# KiCad board Keyboard.kicad_pcb
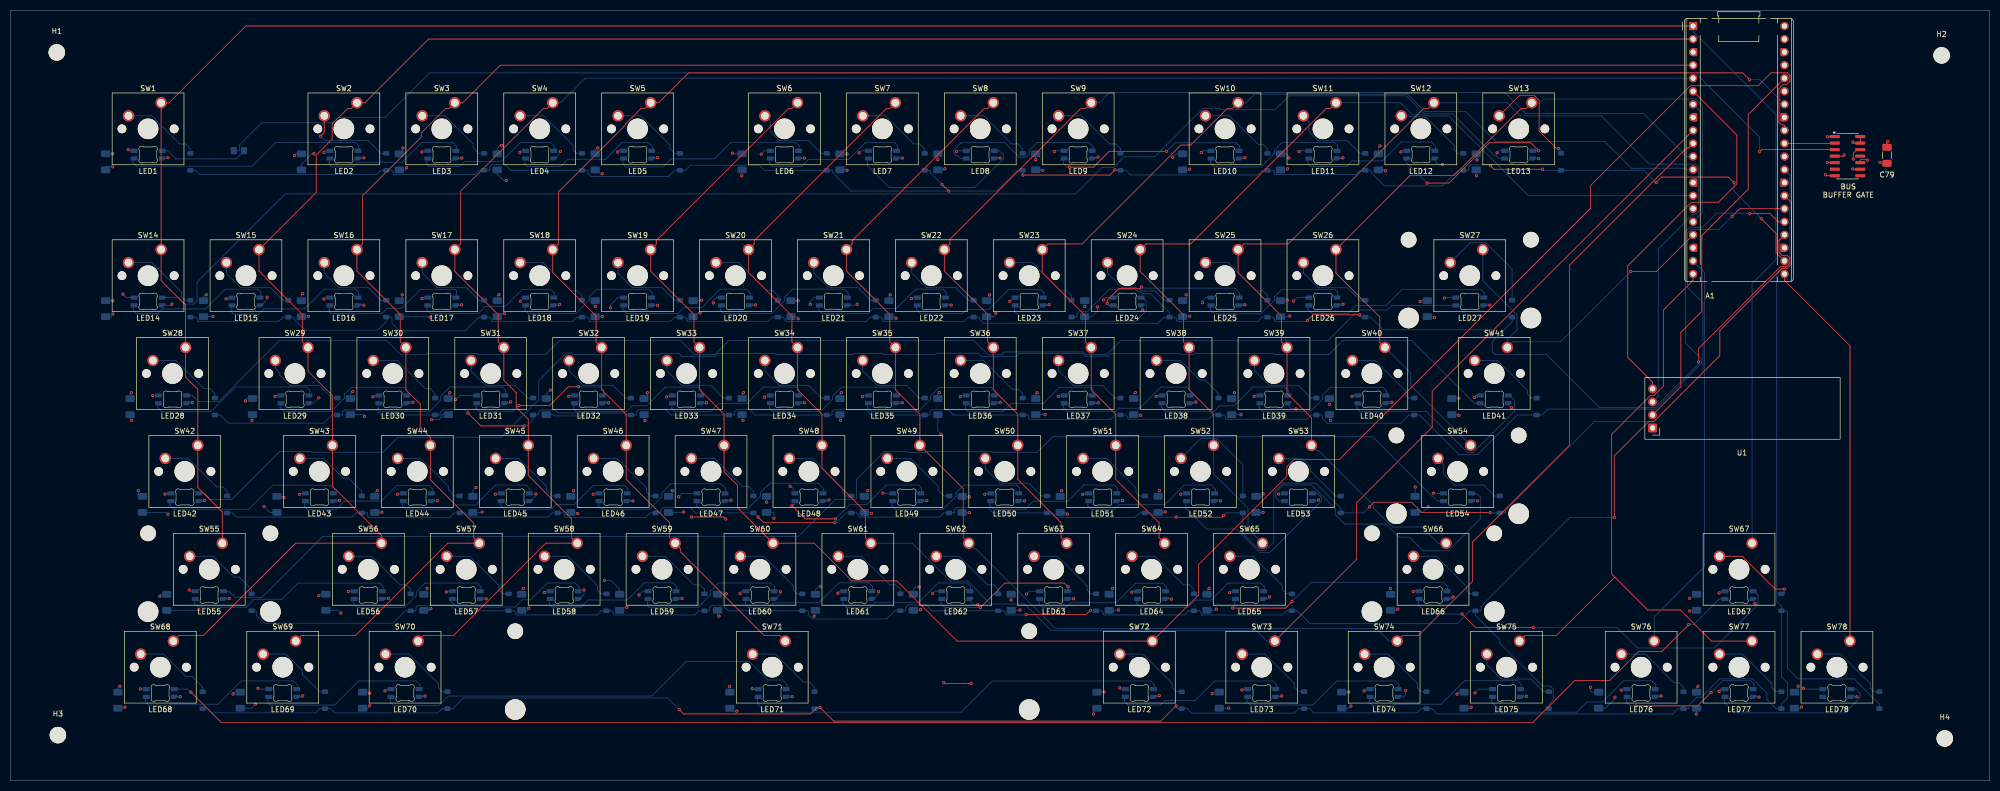
[diagram p0: board, top side]
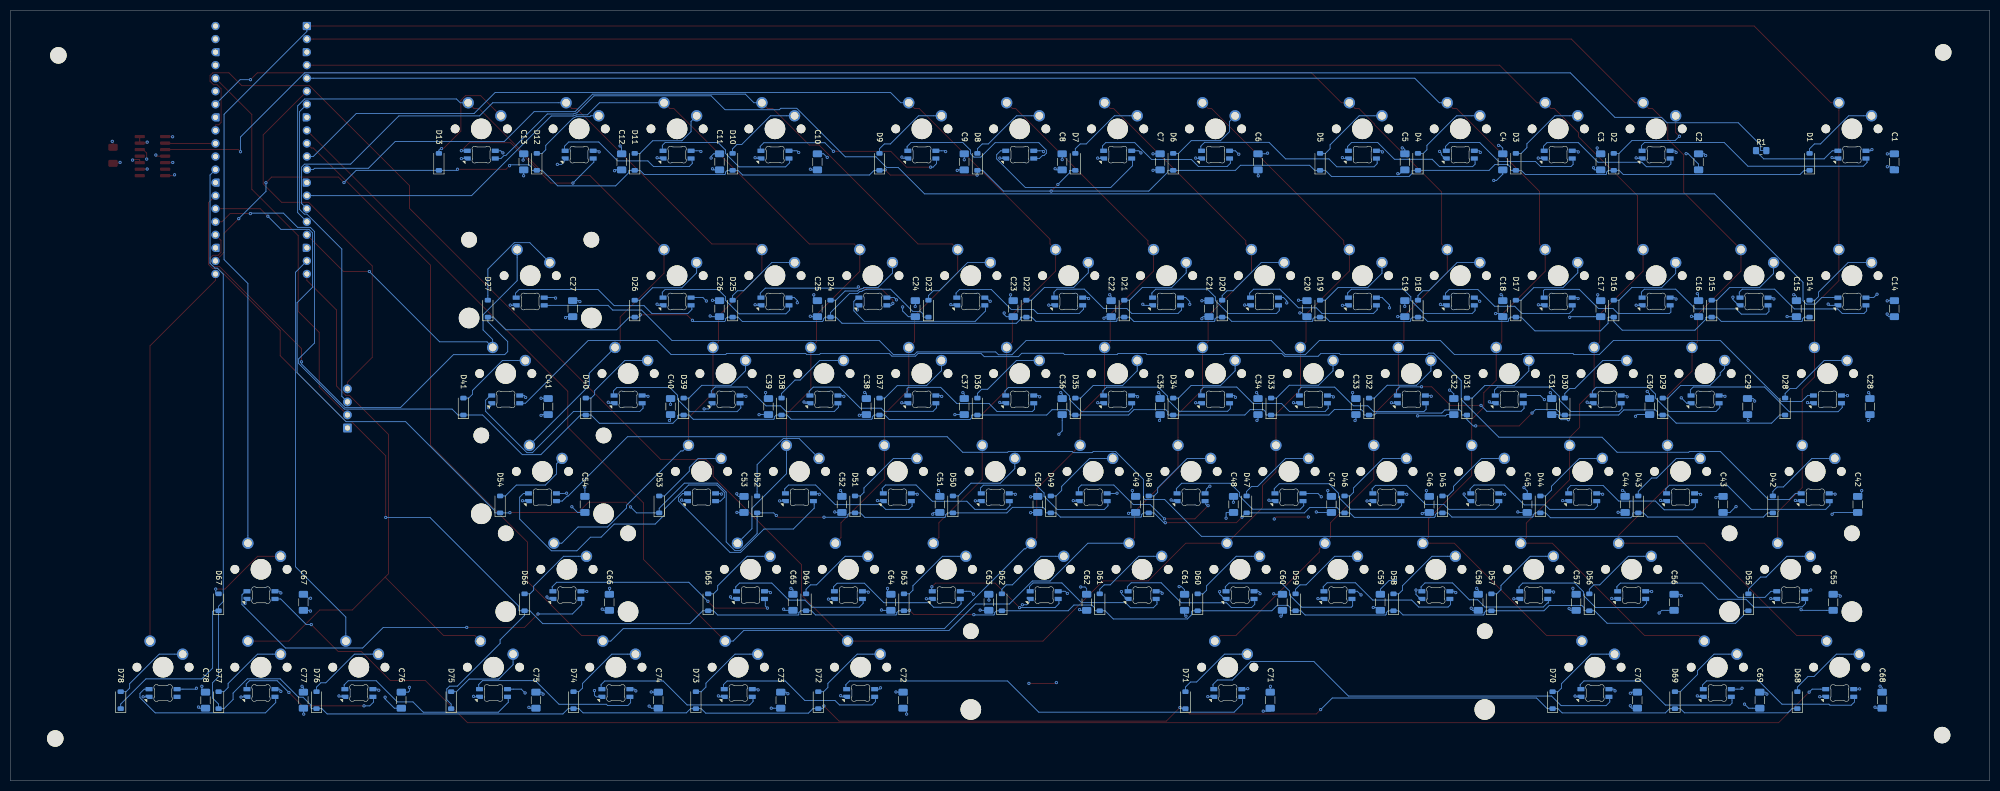
[diagram p1: board, bottom side, seen from below]

Outline 385.15 x 149.95 mm; copper layers: Top Layer, Ground Layer 1, Power Layer 2, Bottom Layer. Coordinates in mm from the lower left corner of the outline.
Outline path: 0,149.95 0,0 385.15,0 385.15,140 385.1,149.95 0,149.95
Stack: Top Layer 0.035mm / dielectric 0.2104mm NP-140F er 4.4 / Ground Layer 1 0.0152mm / dielectric 1.065mm FR4-Generic er 4.6 / Power Layer 2 0.0152mm / dielectric 0.2104mm NP-140F er 4.4 / Bottom Layer 0.035mm

## Placement (name value [footprint] x y rotation side)
A1  SC0918  [RaspberryPi_Pico_Common_THT]  327.44 146.89 0 top
C1  100nF  [C_1206_3216Metric_Pad1.33x1.80mm_HandSolder]  18.55 120.45 90 bottom
C2  100nF  [C_1206_3216Metric_Pad1.33x1.80mm_HandSolder]  56.65 120.45 90 bottom
C3  100nF  [C_1206_3216Metric_Pad1.33x1.80mm_HandSolder]  75.7 120.45 90 bottom
C4  100nF  [C_1206_3216Metric_Pad1.33x1.80mm_HandSolder]  94.75 120.45 90 bottom
C5  100nF  [C_1206_3216Metric_Pad1.33x1.80mm_HandSolder]  113.8 120.45 90 bottom
C6  100nF  [C_1206_3216Metric_Pad1.33x1.80mm_HandSolder]  142.38 120.45 90 bottom
C7  100nF  [C_1206_3216Metric_Pad1.33x1.80mm_HandSolder]  161.43 120.45 90 bottom
C8  100nF  [C_1206_3216Metric_Pad1.33x1.80mm_HandSolder]  180.48 120.45 90 bottom
C9  100nF  [C_1206_3216Metric_Pad1.33x1.80mm_HandSolder]  199.52 120.45 90 bottom
C10  100nF  [C_1206_3216Metric_Pad1.33x1.80mm_HandSolder]  228.1 120.45 90 bottom
C11  100nF  [C_1206_3216Metric_Pad1.33x1.80mm_HandSolder]  247.15 120.45 90 bottom
C12  100nF  [C_1206_3216Metric_Pad1.33x1.80mm_HandSolder]  266.2 120.45 90 bottom
C13  100nF  [C_1206_3216Metric_Pad1.33x1.80mm_HandSolder]  285.25 120.45 90 bottom
C14  100nF  [C_1206_3216Metric_Pad1.33x1.80mm_HandSolder]  18.55 91.88 90 bottom
C15  100nF  [C_1206_3216Metric_Pad1.33x1.80mm_HandSolder]  37.6 91.88 90 bottom
C16  100nF  [C_1206_3216Metric_Pad1.33x1.80mm_HandSolder]  56.65 91.88 90 bottom
C17  100nF  [C_1206_3216Metric_Pad1.33x1.80mm_HandSolder]  75.7 91.88 90 bottom
C18  100nF  [C_1206_3216Metric_Pad1.33x1.80mm_HandSolder]  94.75 91.88 90 bottom
C19  100nF  [C_1206_3216Metric_Pad1.33x1.80mm_HandSolder]  113.8 91.88 90 bottom
C20  100nF  [C_1206_3216Metric_Pad1.33x1.80mm_HandSolder]  132.85 91.88 90 bottom
C21  100nF  [C_1206_3216Metric_Pad1.33x1.80mm_HandSolder]  151.9 91.88 90 bottom
C22  100nF  [C_1206_3216Metric_Pad1.33x1.80mm_HandSolder]  170.95 91.88 90 bottom
C23  100nF  [C_1206_3216Metric_Pad1.33x1.80mm_HandSolder]  190 91.88 90 bottom
C24  100nF  [C_1206_3216Metric_Pad1.33x1.80mm_HandSolder]  209.05 91.88 90 bottom
C25  100nF  [C_1206_3216Metric_Pad1.33x1.80mm_HandSolder]  228.1 91.88 90 bottom
C26  100nF  [C_1206_3216Metric_Pad1.33x1.80mm_HandSolder]  247.15 91.88 90 bottom
C27  100nF  [C_1206_3216Metric_Pad1.33x1.80mm_HandSolder]  275.73 91.88 90 bottom
C28  100nF  [C_1206_3216Metric_Pad1.33x1.80mm_HandSolder]  23.31 72.82 90 bottom
C29  100nF  [C_1206_3216Metric_Pad1.33x1.80mm_HandSolder]  47.12 72.82 90 bottom
C30  100nF  [C_1206_3216Metric_Pad1.33x1.80mm_HandSolder]  66.18 72.82 90 bottom
C31  100nF  [C_1206_3216Metric_Pad1.33x1.80mm_HandSolder]  85.22 72.82 90 bottom
C32  100nF  [C_1206_3216Metric_Pad1.33x1.80mm_HandSolder]  104.28 72.82 90 bottom
C33  100nF  [C_1206_3216Metric_Pad1.33x1.80mm_HandSolder]  123.32 72.82 90 bottom
C34  100nF  [C_1206_3216Metric_Pad1.33x1.80mm_HandSolder]  142.38 72.82 90 bottom
C35  100nF  [C_1206_3216Metric_Pad1.33x1.80mm_HandSolder]  161.43 72.82 90 bottom
C36  100nF  [C_1206_3216Metric_Pad1.33x1.80mm_HandSolder]  180.48 72.82 90 bottom
C37  100nF  [C_1206_3216Metric_Pad1.33x1.80mm_HandSolder]  199.52 72.82 90 bottom
C38  100nF  [C_1206_3216Metric_Pad1.33x1.80mm_HandSolder]  218.57 72.82 90 bottom
C39  100nF  [C_1206_3216Metric_Pad1.33x1.80mm_HandSolder]  237.62 72.82 90 bottom
C40  100nF  [C_1206_3216Metric_Pad1.33x1.80mm_HandSolder]  256.68 72.82 90 bottom
C41  100nF  [C_1206_3216Metric_Pad1.33x1.80mm_HandSolder]  280.49 72.82 90 bottom
C42  100nF  [C_1206_3216Metric_Pad1.33x1.80mm_HandSolder]  25.69 53.77 90 bottom
C43  100nF  [C_1206_3216Metric_Pad1.33x1.80mm_HandSolder]  51.89 53.77 90 bottom
C44  100nF  [C_1206_3216Metric_Pad1.33x1.80mm_HandSolder]  70.94 53.77 90 bottom
C45  100nF  [C_1206_3216Metric_Pad1.33x1.80mm_HandSolder]  89.99 53.77 90 bottom
C46  100nF  [C_1206_3216Metric_Pad1.33x1.80mm_HandSolder]  109.04 53.77 90 bottom
C47  100nF  [C_1206_3216Metric_Pad1.33x1.80mm_HandSolder]  128.09 53.77 90 bottom
C48  100nF  [C_1206_3216Metric_Pad1.33x1.80mm_HandSolder]  147.14 53.77 90 bottom
C49  100nF  [C_1206_3216Metric_Pad1.33x1.80mm_HandSolder]  166.19 53.77 90 bottom
C50  100nF  [C_1206_3216Metric_Pad1.33x1.80mm_HandSolder]  185.24 53.77 90 bottom
C51  100nF  [C_1206_3216Metric_Pad1.33x1.80mm_HandSolder]  204.29 53.77 90 bottom
C52  100nF  [C_1206_3216Metric_Pad1.33x1.80mm_HandSolder]  223.34 53.77 90 bottom
C53  100nF  [C_1206_3216Metric_Pad1.33x1.80mm_HandSolder]  242.39 53.77 90 bottom
C54  100nF  [C_1206_3216Metric_Pad1.33x1.80mm_HandSolder]  273.34 53.77 90 bottom
C55  100nF  [C_1206_3216Metric_Pad1.33x1.80mm_HandSolder]  30.46 34.72 90 bottom
C56  100nF  [C_1206_3216Metric_Pad1.33x1.80mm_HandSolder]  61.41 34.72 90 bottom
C57  100nF  [C_1206_3216Metric_Pad1.33x1.80mm_HandSolder]  80.46 34.72 90 bottom
C58  100nF  [C_1206_3216Metric_Pad1.33x1.80mm_HandSolder]  99.51 34.72 90 bottom
C59  100nF  [C_1206_3216Metric_Pad1.33x1.80mm_HandSolder]  118.56 34.72 90 bottom
C60  100nF  [C_1206_3216Metric_Pad1.33x1.80mm_HandSolder]  137.61 34.72 90 bottom
C61  100nF  [C_1206_3216Metric_Pad1.33x1.80mm_HandSolder]  156.66 34.72 90 bottom
C62  100nF  [C_1206_3216Metric_Pad1.33x1.80mm_HandSolder]  175.71 34.72 90 bottom
C63  100nF  [C_1206_3216Metric_Pad1.33x1.80mm_HandSolder]  194.76 34.72 90 bottom
C64  100nF  [C_1206_3216Metric_Pad1.33x1.80mm_HandSolder]  213.81 34.72 90 bottom
C65  100nF  [C_1206_3216Metric_Pad1.33x1.80mm_HandSolder]  232.86 34.72 90 bottom
C66  100nF  [C_1206_3216Metric_Pad1.33x1.80mm_HandSolder]  268.58 34.72 90 bottom
C67  100nF  [C_1206_3216Metric_Pad1.33x1.80mm_HandSolder]  328.11 34.72 90 bottom
C68  100nF  [C_1206_3216Metric_Pad1.33x1.80mm_HandSolder]  20.93 15.68 90 bottom
C69  100nF  [C_1206_3216Metric_Pad1.33x1.80mm_HandSolder]  44.74 15.68 90 bottom
C70  100nF  [C_1206_3216Metric_Pad1.33x1.80mm_HandSolder]  68.56 15.68 90 bottom
C71  100nF  [C_1206_3216Metric_Pad1.33x1.80mm_HandSolder]  139.99 15.68 90 bottom
C72  100nF  [C_1206_3216Metric_Pad1.33x1.80mm_HandSolder]  211.43 15.68 90 bottom
C73  100nF  [C_1206_3216Metric_Pad1.33x1.80mm_HandSolder]  235.24 15.68 90 bottom
C74  100nF  [C_1206_3216Metric_Pad1.33x1.80mm_HandSolder]  259.06 15.68 90 bottom
C75  100nF  [C_1206_3216Metric_Pad1.33x1.80mm_HandSolder]  282.87 15.68 90 bottom
C76  100nF  [C_1206_3216Metric_Pad1.33x1.80mm_HandSolder]  309.06 15.68 90 bottom
C77  100nF  [C_1206_3216Metric_Pad1.33x1.80mm_HandSolder]  328.11 15.68 90 bottom
C78  100nF  [C_1206_3216Metric_Pad1.33x1.80mm_HandSolder]  347.16 15.68 90 bottom
C79  100nF  [C_1206_3216Metric_Pad1.33x1.80mm_HandSolder]  365.16 121.73 270 top
D1  D  [D_SOD-123]  35.05 120.45 90 bottom
D2  D  [D_SOD-123]  73.15 120.45 90 bottom
D3  D  [D_SOD-123]  92.2 120.45 90 bottom
D4  D  [D_SOD-123]  111.25 120.45 90 bottom
D5  D  [D_SOD-123]  130.3 120.45 90 bottom
D6  D  [D_SOD-123]  158.88 120.45 90 bottom
D7  D  [D_SOD-123]  177.93 120.45 90 bottom
D8  D  [D_SOD-123]  196.98 120.45 90 bottom
D9  D  [D_SOD-123]  216.02 120.45 90 bottom
D10  D  [D_SOD-123]  244.6 120.45 90 bottom
D11  D  [D_SOD-123]  263.65 120.45 90 bottom
D12  D  [D_SOD-123]  282.7 120.45 90 bottom
D13  D  [D_SOD-123]  301.75 120.45 90 bottom
D14  D  [D_SOD-123]  35.05 91.88 90 bottom
D15  D  [D_SOD-123]  54.1 91.88 90 bottom
D16  D  [D_SOD-123]  73.15 91.88 90 bottom
D17  D  [D_SOD-123]  92.2 91.88 90 bottom
D18  D  [D_SOD-123]  111.25 91.88 90 bottom
D19  D  [D_SOD-123]  130.3 91.88 90 bottom
D20  D  [D_SOD-123]  149.35 91.88 90 bottom
D21  D  [D_SOD-123]  168.4 91.88 90 bottom
D22  D  [D_SOD-123]  187.45 91.88 90 bottom
D23  D  [D_SOD-123]  206.5 91.88 90 bottom
D24  D  [D_SOD-123]  225.55 91.88 90 bottom
D25  D  [D_SOD-123]  244.6 91.88 90 bottom
D26  D  [D_SOD-123]  263.65 91.88 90 bottom
D27  D  [D_SOD-123]  292.23 91.88 90 bottom
D28  D  [D_SOD-123]  39.81 72.82 90 bottom
D29  D  [D_SOD-123]  63.62 72.82 90 bottom
D30  D  [D_SOD-123]  82.68 72.82 90 bottom
D31  D  [D_SOD-123]  101.72 72.82 90 bottom
D32  D  [D_SOD-123]  120.78 72.82 90 bottom
D33  D  [D_SOD-123]  139.82 72.82 90 bottom
D34  D  [D_SOD-123]  158.88 72.82 90 bottom
D35  D  [D_SOD-123]  177.93 72.82 90 bottom
D36  D  [D_SOD-123]  196.98 72.82 90 bottom
D37  D  [D_SOD-123]  216.02 72.82 90 bottom
D38  D  [D_SOD-123]  235.07 72.82 90 bottom
D39  D  [D_SOD-123]  254.12 72.82 90 bottom
D40  D  [D_SOD-123]  273.18 72.82 90 bottom
D41  D  [D_SOD-123]  296.99 72.82 90 bottom
D42  D  [D_SOD-123]  42.19 53.77 90 bottom
D43  D  [D_SOD-123]  68.39 53.77 90 bottom
D44  D  [D_SOD-123]  87.44 53.77 90 bottom
D45  D  [D_SOD-123]  106.49 53.77 90 bottom
D46  D  [D_SOD-123]  125.54 53.77 90 bottom
D47  D  [D_SOD-123]  144.59 53.77 90 bottom
D48  D  [D_SOD-123]  163.64 53.77 90 bottom
D49  D  [D_SOD-123]  182.69 53.77 90 bottom
D50  D  [D_SOD-123]  201.74 53.77 90 bottom
D51  D  [D_SOD-123]  220.79 53.77 90 bottom
D52  D  [D_SOD-123]  239.84 53.77 90 bottom
D53  D  [D_SOD-123]  258.89 53.77 90 bottom
D54  D  [D_SOD-123]  289.84 53.77 90 bottom
D55  D  [D_SOD-123]  46.96 34.72 90 bottom
D56  D  [D_SOD-123]  77.91 34.72 90 bottom
D57  D  [D_SOD-123]  96.96 34.72 90 bottom
D58  D  [D_SOD-123]  116.01 34.72 90 bottom
D59  D  [D_SOD-123]  135.06 34.72 90 bottom
D60  D  [D_SOD-123]  154.11 34.72 90 bottom
D61  D  [D_SOD-123]  173.16 34.72 90 bottom
D62  D  [D_SOD-123]  192.21 34.72 90 bottom
D63  D  [D_SOD-123]  211.26 34.72 90 bottom
D64  D  [D_SOD-123]  230.31 34.72 90 bottom
D65  D  [D_SOD-123]  249.36 34.72 90 bottom
D66  D  [D_SOD-123]  285.08 34.72 90 bottom
D67  D  [D_SOD-123]  344.61 34.72 90 bottom
D68  D  [D_SOD-123]  37.43 15.68 90 bottom
D69  D  [D_SOD-123]  61.24 15.68 90 bottom
D70  D  [D_SOD-123]  85.06 15.68 90 bottom
D71  D  [D_SOD-123]  156.49 15.68 90 bottom
D72  D  [D_SOD-123]  227.93 15.68 90 bottom
D73  D  [D_SOD-123]  251.74 15.68 90 bottom
D74  D  [D_SOD-123]  275.56 15.68 90 bottom
D75  D  [D_SOD-123]  299.37 15.68 90 bottom
D76  D  [D_SOD-123]  325.56 15.68 90 bottom
D77  D  [D_SOD-123]  344.61 15.68 90 bottom
D78  D  [D_SOD-123]  363.66 15.68 90 bottom
H1  MountingHole  [MountingHole_3.2mm_M3]  9.05 141.75 0 top
H2  MountingHole  [MountingHole_3.2mm_M3]  375.79 141.17 0 top
H3  MountingHole  [MountingHole_3.2mm_M3]  9.26 8.88 0 top
H4  MountingHole  [MountingHole_3.2mm_M3]  376.4 8.22 0 top
LED1  MX_SK6812MINI-E  [LED_MX_6028R]  26.81 121.85 180 bottom
LED2  MX_SK6812MINI-E  [LED_MX_6028R]  64.91 121.85 180 bottom
LED3  MX_SK6812MINI-E  [LED_MX_6028R]  83.96 121.85 180 bottom
LED4  MX_SK6812MINI-E  [LED_MX_6028R]  103.01 121.85 180 bottom
LED5  MX_SK6812MINI-E  [LED_MX_6028R]  122.06 121.85 180 bottom
LED6  MX_SK6812MINI-E  [LED_MX_6028R]  150.63 121.85 180 bottom
LED7  MX_SK6812MINI-E  [LED_MX_6028R]  169.69 121.85 180 bottom
LED8  MX_SK6812MINI-E  [LED_MX_6028R]  188.74 121.85 180 bottom
LED9  MX_SK6812MINI-E  [LED_MX_6028R]  207.79 121.85 180 bottom
LED10  MX_SK6812MINI-E  [LED_MX_6028R]  236.36 121.85 180 bottom
LED11  MX_SK6812MINI-E  [LED_MX_6028R]  255.41 121.85 180 bottom
LED12  MX_SK6812MINI-E  [LED_MX_6028R]  274.46 121.85 180 bottom
LED13  MX_SK6812MINI-E  [LED_MX_6028R]  293.51 121.85 180 bottom
LED14  MX_SK6812MINI-E  [LED_MX_6028R]  26.81 93.27 180 bottom
LED15  MX_SK6812MINI-E  [LED_MX_6028R]  45.86 93.27 180 bottom
LED16  MX_SK6812MINI-E  [LED_MX_6028R]  64.91 93.27 180 bottom
LED17  MX_SK6812MINI-E  [LED_MX_6028R]  83.96 93.27 180 bottom
LED18  MX_SK6812MINI-E  [LED_MX_6028R]  103.01 93.27 180 bottom
LED19  MX_SK6812MINI-E  [LED_MX_6028R]  122.06 93.27 180 bottom
LED20  MX_SK6812MINI-E  [LED_MX_6028R]  141.11 93.27 180 bottom
LED21  MX_SK6812MINI-E  [LED_MX_6028R]  160.16 93.27 180 bottom
LED22  MX_SK6812MINI-E  [LED_MX_6028R]  179.21 93.27 180 bottom
LED23  MX_SK6812MINI-E  [LED_MX_6028R]  198.26 93.27 180 bottom
LED24  MX_SK6812MINI-E  [LED_MX_6028R]  217.31 93.27 180 bottom
LED25  MX_SK6812MINI-E  [LED_MX_6028R]  236.36 93.27 180 bottom
LED26  MX_SK6812MINI-E  [LED_MX_6028R]  255.41 93.27 180 bottom
LED27  MX_SK6812MINI-E  [LED_MX_6028R]  283.99 93.27 180 bottom
LED28  MX_SK6812MINI-E  [LED_MX_6028R]  31.57 74.22 180 bottom
LED29  MX_SK6812MINI-E  [LED_MX_6028R]  55.38 74.22 180 bottom
LED30  MX_SK6812MINI-E  [LED_MX_6028R]  74.44 74.22 180 bottom
LED31  MX_SK6812MINI-E  [LED_MX_6028R]  93.49 74.22 180 bottom
LED32  MX_SK6812MINI-E  [LED_MX_6028R]  112.53 74.22 180 bottom
LED33  MX_SK6812MINI-E  [LED_MX_6028R]  131.59 74.22 180 bottom
LED34  MX_SK6812MINI-E  [LED_MX_6028R]  150.63 74.22 180 bottom
LED35  MX_SK6812MINI-E  [LED_MX_6028R]  169.69 74.22 180 bottom
LED36  MX_SK6812MINI-E  [LED_MX_6028R]  188.74 74.22 180 bottom
LED37  MX_SK6812MINI-E  [LED_MX_6028R]  207.79 74.22 180 bottom
LED38  MX_SK6812MINI-E  [LED_MX_6028R]  226.83 74.22 180 bottom
LED39  MX_SK6812MINI-E  [LED_MX_6028R]  245.88 74.22 180 bottom
LED40  MX_SK6812MINI-E  [LED_MX_6028R]  264.94 74.22 180 bottom
LED41  MX_SK6812MINI-E  [LED_MX_6028R]  288.75 74.22 180 bottom
LED42  MX_SK6812MINI-E  [LED_MX_6028R]  33.95 55.17 180 bottom
LED43  MX_SK6812MINI-E  [LED_MX_6028R]  60.15 55.17 180 bottom
LED44  MX_SK6812MINI-E  [LED_MX_6028R]  79.2 55.17 180 bottom
LED45  MX_SK6812MINI-E  [LED_MX_6028R]  98.25 55.17 180 bottom
LED46  MX_SK6812MINI-E  [LED_MX_6028R]  117.3 55.17 180 bottom
LED47  MX_SK6812MINI-E  [LED_MX_6028R]  136.35 55.17 180 bottom
LED48  MX_SK6812MINI-E  [LED_MX_6028R]  155.4 55.17 180 bottom
LED49  MX_SK6812MINI-E  [LED_MX_6028R]  174.45 55.17 180 bottom
LED50  MX_SK6812MINI-E  [LED_MX_6028R]  193.5 55.17 180 bottom
LED51  MX_SK6812MINI-E  [LED_MX_6028R]  212.55 55.17 180 bottom
LED52  MX_SK6812MINI-E  [LED_MX_6028R]  231.6 55.17 180 bottom
LED53  MX_SK6812MINI-E  [LED_MX_6028R]  250.65 55.17 180 bottom
LED54  MX_SK6812MINI-E  [LED_MX_6028R]  281.6 55.17 180 bottom
LED55  MX_SK6812MINI-E  [LED_MX_6028R]  38.72 36.12 180 bottom
LED56  MX_SK6812MINI-E  [LED_MX_6028R]  69.67 36.12 180 bottom
LED57  MX_SK6812MINI-E  [LED_MX_6028R]  88.72 36.12 180 bottom
LED58  MX_SK6812MINI-E  [LED_MX_6028R]  107.77 36.12 180 bottom
LED59  MX_SK6812MINI-E  [LED_MX_6028R]  126.82 36.12 180 bottom
LED60  MX_SK6812MINI-E  [LED_MX_6028R]  145.87 36.12 180 bottom
LED61  MX_SK6812MINI-E  [LED_MX_6028R]  164.92 36.12 180 bottom
LED62  MX_SK6812MINI-E  [LED_MX_6028R]  183.97 36.12 180 bottom
LED63  MX_SK6812MINI-E  [LED_MX_6028R]  203.02 36.12 180 bottom
LED64  MX_SK6812MINI-E  [LED_MX_6028R]  222.07 36.12 180 bottom
LED65  MX_SK6812MINI-E  [LED_MX_6028R]  241.12 36.12 180 bottom
LED66  MX_SK6812MINI-E  [LED_MX_6028R]  276.84 36.12 180 bottom
LED67  MX_SK6812MINI-E  [LED_MX_6028R]  336.37 36.12 180 bottom
LED68  MX_SK6812MINI-E  [LED_MX_6028R]  29.19 17.07 180 bottom
LED69  MX_SK6812MINI-E  [LED_MX_6028R]  53 17.07 180 bottom
LED70  MX_SK6812MINI-E  [LED_MX_6028R]  76.82 17.07 180 bottom
LED71  MX_SK6812MINI-E  [LED_MX_6028R]  148.25 17.07 180 bottom
LED72  MX_SK6812MINI-E  [LED_MX_6028R]  219.69 17.07 180 bottom
LED73  MX_SK6812MINI-E  [LED_MX_6028R]  243.5 17.07 180 bottom
LED74  MX_SK6812MINI-E  [LED_MX_6028R]  267.32 17.07 180 bottom
LED75  MX_SK6812MINI-E  [LED_MX_6028R]  291.13 17.07 180 bottom
LED76  MX_SK6812MINI-E  [LED_MX_6028R]  317.32 17.07 180 bottom
LED77  MX_SK6812MINI-E  [LED_MX_6028R]  336.37 17.07 180 bottom
LED78  MX_SK6812MINI-E  [LED_MX_6028R]  355.42 17.07 180 bottom
R1  330R  [R_0805_2012Metric_Pad1.20x1.40mm_HandSolder]  44.47 122.64 180 bottom
SW1  SW_Push  [SW_Cherry_MX_1.00u_PCB]  29.35 131.95 0 top
SW2  SW_Push  [SW_Cherry_MX_1.00u_PCB]  67.45 131.95 0 top
SW3  SW_Push  [SW_Cherry_MX_1.00u_PCB]  86.5 131.95 0 top
SW4  SW_Push  [SW_Cherry_MX_1.00u_PCB]  105.55 131.95 0 top
SW5  SW_Push  [SW_Cherry_MX_1.00u_PCB]  124.6 131.95 0 top
SW6  SW_Push  [SW_Cherry_MX_1.00u_PCB]  153.18 131.95 0 top
SW7  SW_Push  [SW_Cherry_MX_1.00u_PCB]  172.22 131.95 0 top
SW8  SW_Push  [SW_Cherry_MX_1.00u_PCB]  191.27 131.95 0 top
SW9  SW_Push  [SW_Cherry_MX_1.00u_PCB]  210.32 131.95 0 top
SW10  SW_Push  [SW_Cherry_MX_1.00u_PCB]  238.9 131.95 0 top
SW11  SW_Push  [SW_Cherry_MX_1.00u_PCB]  257.95 131.95 0 top
SW12  SW_Push  [SW_Cherry_MX_1.00u_PCB]  277 131.95 0 top
SW13  SW_Push  [SW_Cherry_MX_1.00u_PCB]  296.05 131.95 0 top
SW14  SW_Push  [SW_Cherry_MX_1.00u_PCB]  29.35 103.38 0 top
SW15  SW_Push  [SW_Cherry_MX_1.00u_PCB]  48.4 103.38 0 top
SW16  SW_Push  [SW_Cherry_MX_1.00u_PCB]  67.45 103.38 0 top
SW17  SW_Push  [SW_Cherry_MX_1.00u_PCB]  86.5 103.38 0 top
SW18  SW_Push  [SW_Cherry_MX_1.00u_PCB]  105.55 103.38 0 top
SW19  SW_Push  [SW_Cherry_MX_1.00u_PCB]  124.6 103.38 0 top
SW20  SW_Push  [SW_Cherry_MX_1.00u_PCB]  143.65 103.38 0 top
SW21  SW_Push  [SW_Cherry_MX_1.00u_PCB]  162.7 103.38 0 top
SW22  SW_Push  [SW_Cherry_MX_1.00u_PCB]  181.75 103.38 0 top
SW23  SW_Push  [SW_Cherry_MX_1.00u_PCB]  200.8 103.38 0 top
SW24  SW_Push  [SW_Cherry_MX_1.00u_PCB]  219.85 103.38 0 top
SW25  SW_Push  [SW_Cherry_MX_1.00u_PCB]  238.9 103.38 0 top
SW26  SW_Push  [SW_Cherry_MX_1.00u_PCB]  257.95 103.38 0 top
SW27  SW_Push  [SW_Cherry_MX_2.00u_PCB]  286.52 103.38 0 top
SW28  SW_Push  [SW_Cherry_MX_1.50u_PCB]  34.11 84.32 0 top
SW29  SW_Push  [SW_Cherry_MX_1.00u_PCB]  57.93 84.32 0 top
SW30  SW_Push  [SW_Cherry_MX_1.00u_PCB]  76.97 84.32 0 top
SW31  SW_Push  [SW_Cherry_MX_1.00u_PCB]  96.03 84.32 0 top
SW32  SW_Push  [SW_Cherry_MX_1.00u_PCB]  115.07 84.32 0 top
SW33  SW_Push  [SW_Cherry_MX_1.00u_PCB]  134.12 84.32 0 top
SW34  SW_Push  [SW_Cherry_MX_1.00u_PCB]  153.18 84.32 0 top
SW35  SW_Push  [SW_Cherry_MX_1.00u_PCB]  172.22 84.32 0 top
SW36  SW_Push  [SW_Cherry_MX_1.00u_PCB]  191.27 84.32 0 top
SW37  SW_Push  [SW_Cherry_MX_1.00u_PCB]  210.32 84.32 0 top
SW38  SW_Push  [SW_Cherry_MX_1.00u_PCB]  229.38 84.32 0 top
SW39  SW_Push  [SW_Cherry_MX_1.00u_PCB]  248.43 84.32 0 top
SW40  SW_Push  [SW_Cherry_MX_1.00u_PCB]  267.48 84.32 0 top
SW41  SW_Push  [SW_Cherry_MX_1.50u_PCB]  291.29 84.32 0 top
SW42  SW_Push  [SW_Cherry_MX_1.75u_PCB]  36.49 65.27 0 top
SW43  SW_Push  [SW_Cherry_MX_1.00u_PCB]  62.69 65.27 0 top
SW44  SW_Push  [SW_Cherry_MX_1.00u_PCB]  81.74 65.27 0 top
SW45  SW_Push  [SW_Cherry_MX_1.00u_PCB]  100.79 65.27 0 top
SW46  SW_Push  [SW_Cherry_MX_1.00u_PCB]  119.84 65.27 0 top
SW47  SW_Push  [SW_Cherry_MX_1.00u_PCB]  138.89 65.27 0 top
SW48  SW_Push  [SW_Cherry_MX_1.00u_PCB]  157.94 65.27 0 top
SW49  SW_Push  [SW_Cherry_MX_1.00u_PCB]  176.99 65.27 0 top
SW50  SW_Push  [SW_Cherry_MX_1.00u_PCB]  196.04 65.27 0 top
SW51  SW_Push  [SW_Cherry_MX_1.00u_PCB]  215.09 65.27 0 top
SW52  SW_Push  [SW_Cherry_MX_1.00u_PCB]  234.14 65.27 0 top
SW53  SW_Push  [SW_Cherry_MX_1.00u_PCB]  253.19 65.27 0 top
SW54  SW_Push  [SW_Cherry_MX_2.25u_PCB]  284.14 65.27 0 top
SW55  SW_Push  [SW_Cherry_MX_2.25u_PCB]  41.26 46.22 0 top
SW56  SW_Push  [SW_Cherry_MX_1.00u_PCB]  72.21 46.22 0 top
SW57  SW_Push  [SW_Cherry_MX_1.00u_PCB]  91.26 46.22 0 top
SW58  SW_Push  [SW_Cherry_MX_1.00u_PCB]  110.31 46.22 0 top
SW59  SW_Push  [SW_Cherry_MX_1.00u_PCB]  129.36 46.22 0 top
SW60  SW_Push  [SW_Cherry_MX_1.00u_PCB]  148.41 46.22 0 top
SW61  SW_Push  [SW_Cherry_MX_1.00u_PCB]  167.46 46.22 0 top
SW62  SW_Push  [SW_Cherry_MX_1.00u_PCB]  186.51 46.22 0 top
SW63  SW_Push  [SW_Cherry_MX_1.00u_PCB]  205.56 46.22 0 top
SW64  SW_Push  [SW_Cherry_MX_1.00u_PCB]  224.61 46.22 0 top
SW65  SW_Push  [SW_Cherry_MX_1.00u_PCB]  243.66 46.22 0 top
SW66  SW_Push  [SW_Cherry_MX_2.75u_PCB]  279.38 46.22 0 top
SW67  SW_Push  [SW_Cherry_MX_1.25u_PCB]  338.91 46.22 0 top
SW68  SW_Push  [SW_Cherry_MX_1.25u_PCB]  31.73 27.17 0 top
SW69  SW_Push  [SW_Cherry_MX_1.25u_PCB]  55.54 27.17 0 top
SW70  SW_Push  [SW_Cherry_MX_1.25u_PCB]  79.36 27.17 0 top
SW71  SW_Push  [SW_Cherry_MX_6.25u_PCB]  150.79 27.17 0 top
SW72  SW_Push  [SW_Cherry_MX_1.25u_PCB]  222.23 27.17 0 top
SW73  SW_Push  [SW_Cherry_MX_1.25u_PCB]  246.04 27.17 0 top
SW74  SW_Push  [SW_Cherry_MX_1.25u_PCB]  269.86 27.17 0 top
SW75  SW_Push  [SW_Cherry_MX_1.25u_PCB]  293.67 27.17 0 top
SW76  SW_Push  [SW_Cherry_MX_1.00u_PCB]  319.86 27.17 0 top
SW77  SW_Push  [SW_Cherry_MX_1.00u_PCB]  338.91 27.17 0 top
SW78  SW_Push  [SW_Cherry_MX_1.00u_PCB]  357.96 27.17 0 top
U1  -  [ER_OLEDM0.91_1x-I2C]  319.55 68.65 90 top
U2  74AHCT125  [SOIC-14_3.9x8.7mm_P1.27mm]  357.49 121.56 0 top

## Library data of the parts
A1 = -: Datasheet: https://datasheets.raspberrypi.com/picow/pico-w-datasheet.pdf; manufacturer: Raspberry Pi; PARTREV: 1.6; MAXIMUM_PACKAGE_HEIGHT: 3.73mm
C1-C79 = -: Description: Unpolarized capacitor; KiLib_Generator: SMD_2terminal_chip_molded; ki_fp_filters: C_*
D1-D78 = -: Description: Diode; Sim.Pins: 1=K 2=A; ki_fp_filters: TO-???* *_Diode_* *SingleDiode* D_*
H1-H4 = -: Description: Mounting Hole without connection; KiLib_Generator: mounting_hardware/mounting_hole; ki_fp_filters: MountingHole*
LED1-LED78 = -: Description: Reverse mount adressable LED (WS2812 protocol)
R1 = -: Description: Resistor; KiLib_Generator: SMD_2terminal_chip_molded; ki_fp_filters: R_*
SW1-SW78 = -: Description: Push button switch, generic, two pins
U1 = -: Datasheet: https://www.buydisplay.com/download/manual/ER-OLEDM0.91-1_Datasheet.pdf; Description: SSD1306 OLED module, 0.91 inch, 128x32, I2C; ki_fp_filters: ER?OLEDM0.91?1x?I2C*
U2 = -: Datasheet: https://www.ti.com/lit/ds/symlink/sn74ahct125.pdf; Description: Quadruple Bus Buffer Gates With 3-State Outputs; KiLib_Generator: package/gullwing; ki_fp_filters: DIP*W7.62mm* SO14* SSOP?14* TSSOP?14* SOIC*3.9x8.7mm*P1.27mm*
